# Allegro board 8880F5-0823_1_maisha.brd (continued)
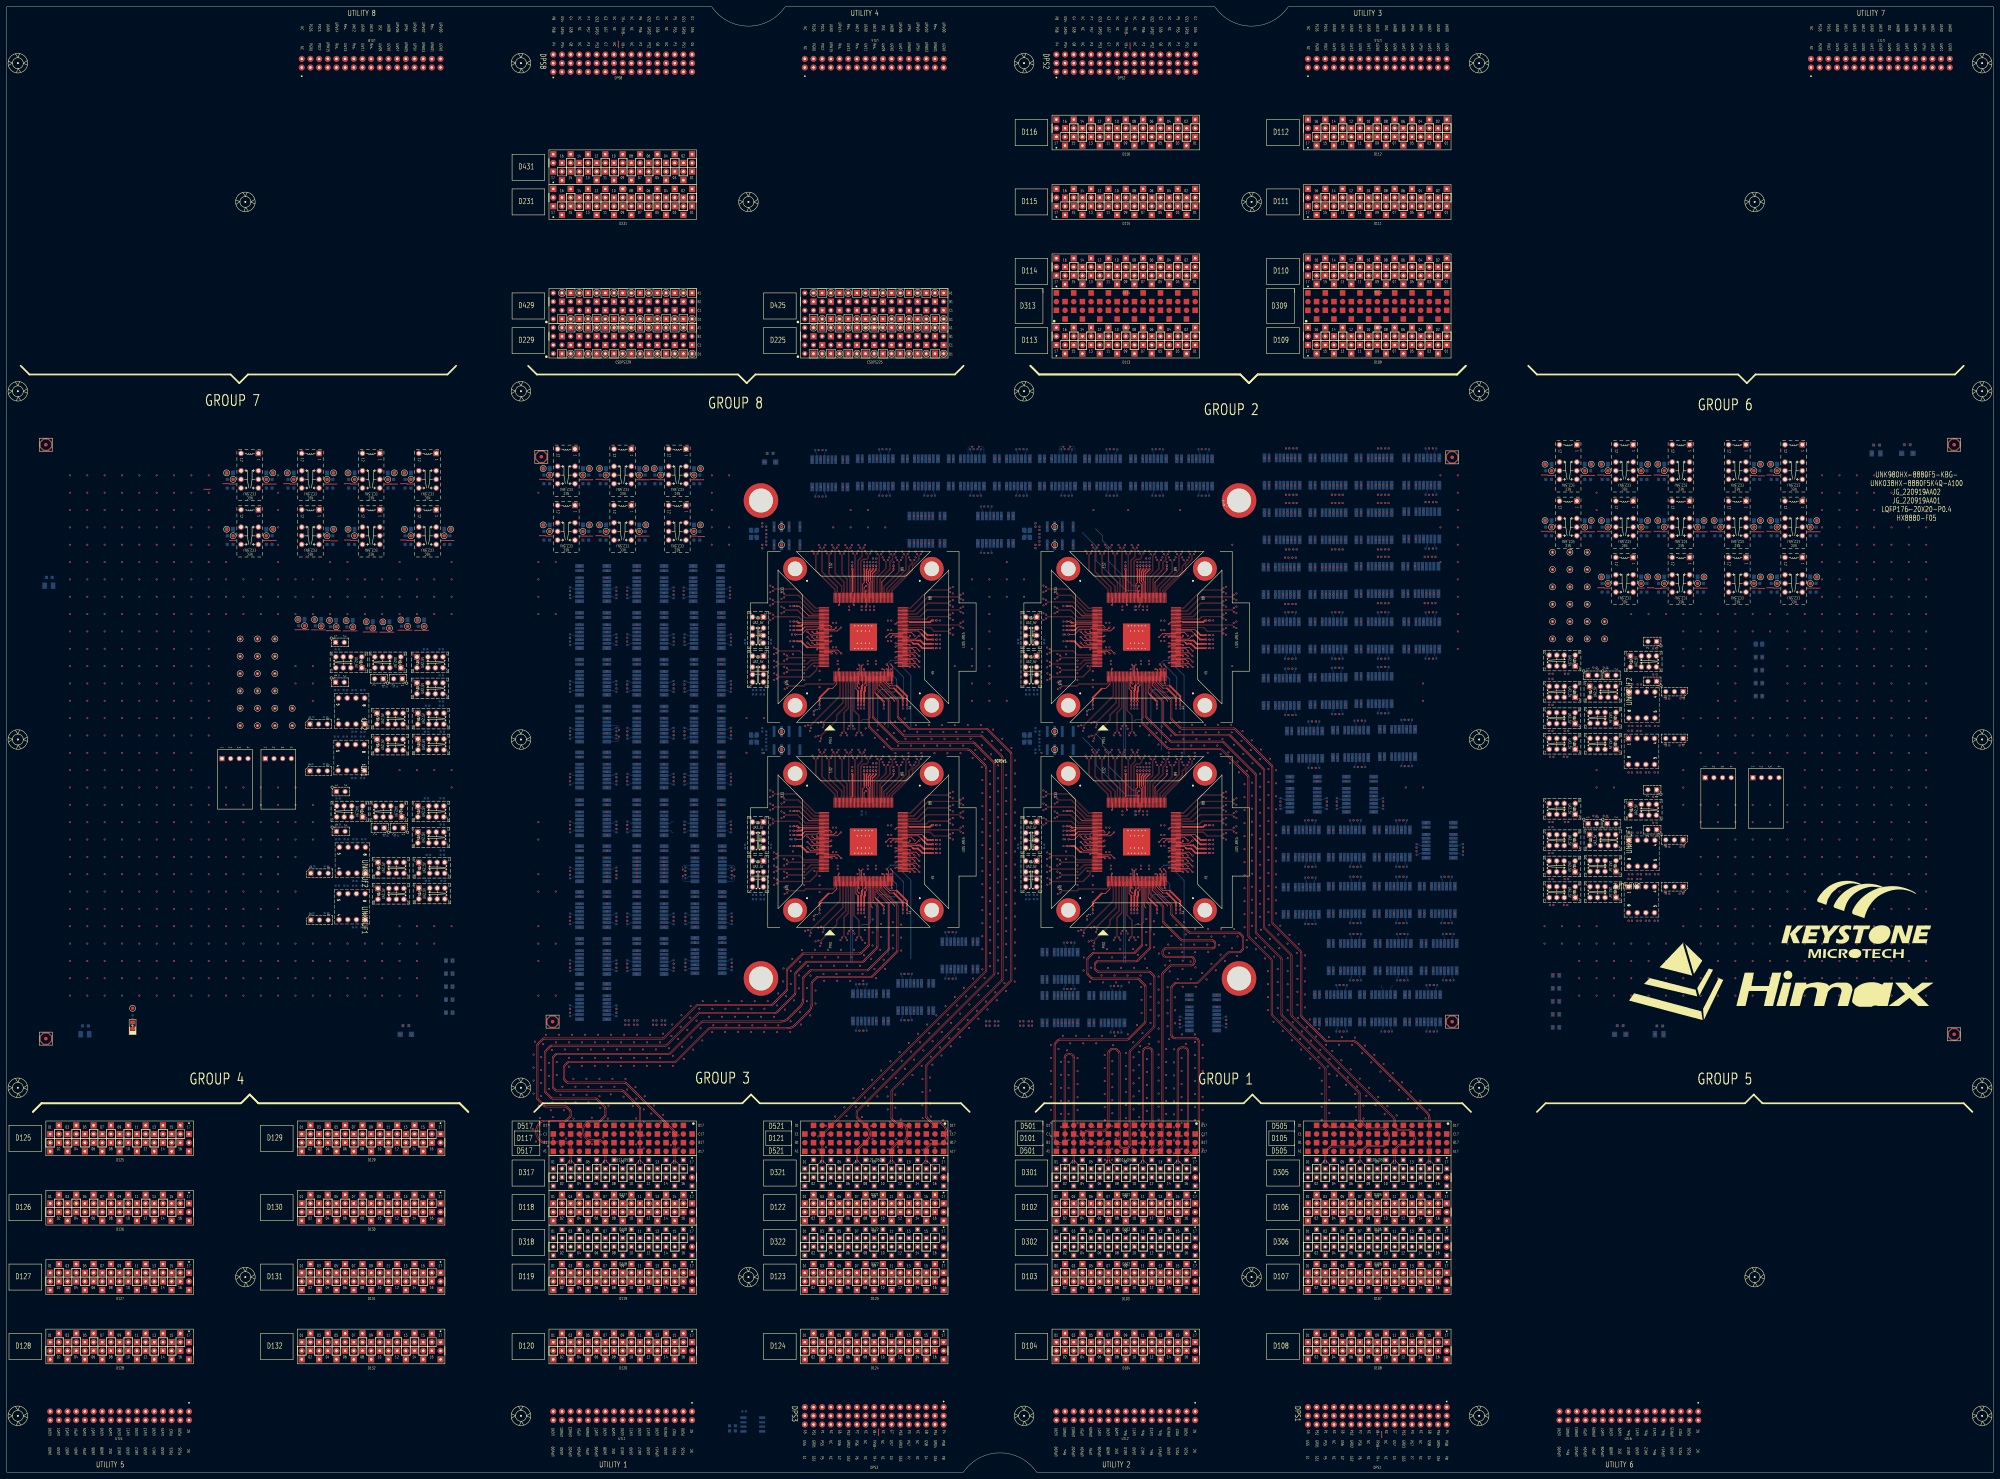
[diagram p0: board, top side]
## Routing (per net, layer and track width the routed paths; a pad name or vN(x,y) marks a point on that pad's centre or on a via; arc(x,y) is an arc through that point) (continued)
  vias: v1(316.32,222.9) v1(317.98,223.71)
S2_DPS_F_003: length 63.1
  TOP w0.231: 339.73,229.66 338.57,229.66 336.63,231.59 SITE2.37 ; SITE2.63 344.9,243.23 345.2,242.93 ; 314.63,241.63 SITE2.162 ; 329.28,228.85 328.63,229.5 SITE2.17 ; SITE2.145 313.08,248.43 312.83,248.18 ; SITE2.107 332.23,260.11 331.69,260.65 331.69,261.16 ; SITE2.71 346.94,246.43 347.84,245.53
  TOP w0.381: 331.69,261.16 331.69,264.28 v1(331.94,264.54)
  TOP w0.508: 342.36,225.75 342.36,227.02 339.73,229.66 ; 312.83,248.18 312.58,247.93 v1(311.44,247.93) ; v1(311.44,243.41) 312.59,243.41 314.37,241.63 314.63,241.63 ; v1(329.28,225.75) 329.28,228.85 ; 347.84,245.53 349.45,243.91 v1(351.22,243.91) ; v1(351.22,241.37) 348.11,241.37 346.8,242.67 345.45,242.67 345.2,242.93
  vias: v1(309.4,247.93) v1(309.4,243.41) v1(329.28,223.71) v1(331.94,266.58) v1(342.36,223.71) v1(353.27,243.91) v1(353.27,241.37) v1(464.57,235.71)
S2_DPS_F_006: length 9.6
  TOP w0.231: 348.55,246.19 347.92,246.83 SITE2.72
  TOP w0.508: 348.55,246.19 349.56,245.18 v1(351.22,245.18)
  vias: v1(339,246.67) v1(353.27,245.18)
S2_DPS_F_007: length 19
  TOP w0.231: SITE2.78 344.15,249.23 344.37,249.01 ; v1(339.65,264.54) 339.65,264.13 336.23,260.71 SITE2.97
  TOP w0.508: v1(351.22,249.5) 350.8,249.5 350.31,249.01 344.37,249.01
  vias: v1(339.65,266.58) v1(353.27,249.5)
S2_DPS_F_009: length 8.8
  TOP w0.231: 332.26,261.12 332.26,260.9 332.63,260.53 SITE2.106
  TOP w0.381: v1(332.83,264.54) 332.83,264.39 332.26,263.82 332.26,261.12
  vias: v1(332.83,266.58) v1(333.61,267.66)
S2_DPS_F_010: length 8.6
  TOP w0.231: 331.05,261.13 331.05,260.57 330.63,260.15 SITE2.111
  TOP w0.381: 331.05,261.13 v1(331.05,264.54)
  vias: v1(330.63,253.59) v1(331.05,266.58)
S2_DPS_F_011: length 17.6
  TOP w0.231: SITE2.119 327.43,257.79 327.64,258.01 ; SITE2.139 314.87,250.83 312.01,253.69 v1(311.44,253.69)
  TOP w0.508: v1(327.57,264.54) 327.64,264.47 327.64,258.01
  vias: v1(309.4,253.69) v1(327.57,266.58)
S2_DPS_F_012: length 8
  TOP w0.231: 312.2,248.83 SITE2.144
  TOP w0.508: 312.2,248.83 311.81,248.83 v1(311.44,249.2)
  vias: v1(309.4,249.2)
S2_DPS_F_013:
  vias: v1(452.62,232.41) v1(452.62,224.79) v1(457.25,233.88) v1(474.87,217.23) v1(474.89,204.98) v1(474.99,218.59) v1(475.99,230.78) v1(478.43,217.17) v1(478.43,204.98) v1(478.53,230.78) v1(478.53,218.59) v1(480.97,204.98) v1(481.07,218.59) v1(482.1,241.3) v1(482.1,233.68) v1(483.51,204.98) v1(483.61,218.59) v1(489.86,212.91) v1(490.1,226.67)
S2_ISP00+: length 14.6
  TOP w0.086: v1(356.24,245.73) 355.81,246.16 351.56,246.16 350.41,247.31 344.06,247.31 343.98,247.23 SITE2.73
  vias: v1(386.29,257.11)
S2_ISP00-: length 14.6
  TOP w0.086: SITE2.74 343.98,247.63 344.06,247.55 350.51,247.55 351.66,246.4 355.77,246.4 v1(356.24,246.87)
  vias: v1(386.29,265.11)
S2_ISP14+: length 84.9
  TOP w0.086: v1(332.86,269.15) 332.42,268.71 332.42,267.92 331.76,267.26 330.73,267.26 330.15,266.68 330.15,257.86 330.23,257.78 SITE2.112
  L28_SIGNAL w0.071: v1(332.86,269.15) 332.39,269.62 332.39,271.2 334.35,273.15 352.61,273.15 364.75,261.01 390.36,261.01 390.69,260.68 v1(390.69,257.11)
S2_ISP14-: length 85.2
  TOP w0.086: v1(331.72,269.15) 332.18,268.69 332.18,268.02 331.66,267.5 330.63,267.5 329.91,266.78 329.91,257.86 329.83,257.78 SITE2.113
  L28_SIGNAL w0.071: v1(331.72,269.15) 332.19,269.62 332.19,271.28 334.26,273.35 352.69,273.35 364.83,261.21 390.38,261.21 390.69,261.53 v1(390.69,265.11)
S2_M_DPS_F_001: length 45.2
  TOP w0.231: SITE2.39 337.43,231.49 338.54,230.37 340.57,230.37 ; SITE2.147 313.7,247.63 313.24,247.18 ; 330.63,230.54 SITE2.22 ; 346.49,243.63 SITE2.64 ; SITE2.104 333.43,263.21
  TOP w0.381: 333.43,263.21 334.61,264.39 v1(334.61,264.54)
  TOP w0.508: 330.63,230.54 330.38,230.28 330.38,229.17 330.17,228.96 v1(330.17,225.75) ; v1(311.44,246.66) 312.72,246.66 313.24,247.18 ; v1(351.22,242.64) 348.48,242.64 347.49,243.63 346.49,243.63 ; v1(343.63,225.75) 343.63,227.31 340.57,230.37
  vias: v1(309.4,246.66) v1(330.17,223.71) v1(334.61,266.58) v1(343.63,223.71) v1(353.27,242.64)
S2_PS9G_DCH001: length 3.7
  TOP w0.231: v1(329.63,229.63) 329.03,230.23 SITE2.18
S2_PS9G_DCH002: length 2.2
  TOP w0.231: SITE2.19 329.43,231.23 v1(329.63,231.03)
S2_PS9G_DCH003: length 2.2
  TOP w0.231: v1(331.23,231.03) 331.43,231.23 SITE2.24
S2_PS9G_DCH004: length 2.2
  TOP w0.231: v1(337.63,235.23) 337.83,235.03 SITE2.40
S2_PS9G_DCH005: length 2.2
  TOP w0.231: v1(344.43,235.83) 344.23,236.03 SITE2.45
S2_PS9G_DCH006: length 3.7
  TOP w0.231: v1(345.83,235.83) 345.23,236.43 SITE2.46
S2_PS9G_DCH007: length 5.3
  TOP w0.231: SITE2.47 346.22,236.83 v1(347.22,235.83)
S2_PS9G_DCH009: length 2.2
  TOP w0.231: v1(344.43,237.43) 344.23,237.63 SITE2.49
S2_PS9G_DCH010: length 3.7
  TOP w0.231: SITE2.50 345.23,238.03 v1(345.83,237.43)
S2_PS9G_DCH011: length 5.3
  TOP w0.231: v1(347.22,237.43) 346.22,238.43 SITE2.51
S2_PS9G_DCH014: length 3.7
  TOP w0.231: v1(345.83,239.03) 345.23,239.63 SITE2.54
S2_PS9G_DCH015: length 5.3
  TOP w0.231: SITE2.55 346.22,240.03 v1(347.22,239.03)
S2_PS9G_DCH022: length 5.3
  TOP w0.231: SITE2.65 346.05,244.03 347.05,245.03 v1(347.22,245.03)
S2_PS9G_DCH023: length 2.5
  TOP w0.231: v1(344.43,245.03) 344.43,244.83 344.03,244.43 SITE2.66
S2_PS9G_DCH027: length 3.9
  TOP w0.231: v1(345.83,245.03) 344.83,246.03 SITE2.70
S2_PS9G_DCH028: length 2.3
  TOP w0.231: SITE2.77 340.6,248.83 v1(340.23,248.46)
S2_PS9G_DCH029: length 2.2
  TOP w0.231: SITE2.118 327.83,254.23 v1(328.03,254.03)
S2_PS9G_DCH030: length 9.2
  TOP w0.231: v1(310.91,245.39) 312.63,245.39 314.16,246.91 317.3,246.91 317.62,247.23 SITE2.148
S2_PS9G_DCH035: length 5.3
  TOP w0.231: SITE2.153 315.44,245.23 v1(314.43,246.23)
S2_PS9G_DCH036: length 2.2
  TOP w0.231: SITE2.154 321.23,244.83 v1(321.43,245.03)
S2_PS9G_DCH037: length 2.2
  TOP w0.231: SITE2.155 317.43,244.43 v1(317.23,244.63)
S2_PS9G_DCH038: length 3.7
  TOP w0.231: SITE2.156 316.43,244.03 v1(315.83,244.63)
S2_PS9G_DCH039: length 5.3
  TOP w0.231: v1(314.43,244.63) 315.44,243.63 SITE2.157
S2_PS9G_DCH040: length 2.2
  TOP w0.231: v1(321.43,243.43) 321.23,243.23 SITE2.158
S2_RLY_001:
  vias: v1(410.52,289.12) v1(410.52,273.37)
S2_RLY_003:
  vias: v1(369.63,273.11) v1(396.55,241.11)
S2_RLY_005:
  vias: v1(396.55,273.11) v1(396.55,257.37)
S2_RLY_007:
  vias: v1(383.09,273.11)
S2_RLY_008:
  vias: v1(383.09,289.12) v1(410.27,257.37)
S2_RLY_016:
  vias: v1(369.38,257.11) v1(369.63,289.12)
S2_RLY_018:
  vias: v1(312.25,276.97)
S2_RLY_021:
  vias: v1(369.38,241.11) v1(396.55,289.12)
S2_RLY_022:
  vias: v1(369.38,224.6) v1(383.09,241.11)
S2_RLY_023:
  vias: v1(383.09,224.85)
S2_RLY_025:
  vias: v1(376.23,209.11) v1(396.55,225.11)
S2_RLY_026:
  vias: v1(389.7,209.36)
S2_RLY_030:
  vias: v1(410.52,241.11)
S2_RLY_043:
  vias: v1(383.09,257.11)
S2_SCAN_DCH008: length 2.2
  TOP w0.231: v1(340.23,237.03) 340.43,237.23 SITE2.48
S2_SCAN_DCH012: length 2.2
  TOP w0.231: v1(340.23,238.63) 340.43,238.83 SITE2.52
S2_SCAN_DCH013: length 2.2
  TOP w0.231: SITE2.53 344.23,239.23 v1(344.43,239.03)
S2_SCAN_DCH016: length 2.2
  TOP w0.231: v1(340.23,240.23) 340.43,240.43 SITE2.56
S2_SCAN_DCH017: length 2.2
  TOP w0.231: SITE2.57 344.23,240.83 v1(344.43,240.63)
S2_SCAN_DCH018: length 3.7
  TOP w0.231: v1(345.83,240.63) 345.23,241.23 SITE2.58
S2_SCAN_DCH019: length 5.3
  TOP w0.231: SITE2.59 346.22,241.63 v1(347.22,240.63)
S2_SCAN_DCH020: length 2.2
  TOP w0.231: SITE2.60 340.43,242.03 v1(340.23,241.83)
S2_SCAN_DCH021: length 2.2
  TOP w0.231: v1(344.43,242.23) 344.23,242.43 SITE2.61
S2_SCAN_DCH024: length 2.2
  TOP w0.231: v1(340.23,244.63) 340.43,244.83 SITE2.67
S2_SCAN_DCH025: length 3.7
  TOP w0.231: SITE2.68 339.43,245.23 v1(338.83,244.63)
S2_SCAN_DCH026: length 5.3
  TOP w0.231: v1(337.44,244.63) 338.44,245.63 SITE2.69
S2_SCAN_DCH031: length 3.7
  TOP w0.231: v1(322.83,247.43) 322.23,246.83 SITE2.149
S2_SCAN_DCH032: length 5.3
  TOP w0.231: v1(324.22,247.43) 323.22,246.43 SITE2.150
S2_SCAN_DCH033: length 2.2
  TOP w0.231: v1(317.23,246.23) 317.43,246.03 SITE2.151
S2_SCAN_DCH034: length 3.7
  TOP w0.231: v1(315.83,246.23) 316.43,245.63 SITE2.152
S2_SPI_1_CSN:
  vias: v1(474.99,230.78)
S2_SPI_1_SCK:
  vias: v1(480.07,218.59)
S2_SPI_1_SDI:
  vias: v1(456.19,217.17)
S2_SPI_1_SDO:
  vias: v1(455.94,209.55)
S2_SPI_2_CSN:
  vias: v1(475.87,217.23)
S2_SPI_2_SCK:
  vias: v1(479.97,204.98)
S2_SPI_2_SDI:
  vias: v1(451.62,217.17)
S2_SPI_2_SDO:
  vias: v1(451.87,209.55)
S2_SPI_11_SDI:
  vias: v1(457.19,217.17) v1(477.53,230.78)
S2_SPI_11_SDO:
  vias: v1(456.94,209.55) v1(482.61,218.59)
S2_SPI_22_SDI:
  vias: v1(452.62,217.17) v1(477.43,217.17)
S2_SPI_22_SDO:
  vias: v1(452.87,209.55) v1(482.51,204.98)
S2_SPI_CSN: length 25.9
  TOP w0.231: v1(339.23,231.03) 339.03,231.23 SITE2.43
  BOTTOM w0.231: v1(339.23,231.03) 338.4,231.03 335.17,234.25 333.57,234.25 332.91,233.59 332.91,221.11 332.25,220.44 330.61,220.44 330.11,219.95
S2_SPI_SCK: length 25.3
  TOP w0.231: SITE2.42 338.63,235.03 v1(338.83,235.23)
  BOTTOM w0.231: v1(338.83,235.23) 338.83,233.98 340.53,232.28 340.53,229.11 339.96,228.54 337.9,228.54 337.17,229.27 335.92,229.27 335.03,228.39 335.03,218.48
S2_SPI_SDI: length 34.1
  TOP w0.231: SITE2.44 339.43,236.03 v1(338.83,236.63)
  BOTTOM w0.231: v1(338.83,236.63) 342.6,232.86 342.6,227.63 342.04,227.06 338.85,227.06 338.07,226.28 338.07,211.53
S2_SPI_SDO: length 37
  TOP w0.231: v1(337.63,236.63) 338.23,236.03 SITE2.41
  BOTTOM w0.231: v1(337.63,236.63) 338.83,237.83 341.5,237.83 342.29,237.04 342.29,235.83 344.72,233.4 344.72,210.32
S2_XTAL_IN: length 28.3
  TOP w0.231: v1(331.63,258.23) 331.43,258.03 SITE2.109
  BOTTOM w0.231: v1(331.63,258.23) 327.82,258.23 318.94,267.1 318.94,271.27 314.98,275.24
  vias: v1(306.85,271.67)
S2_XTAL_OUT: length 26.8
  TOP w0.231: v1(331.63,259.63) 331.03,259.03 SITE2.110
  BOTTOM w0.231: v1(331.63,259.63) 329.83,259.63 322.59,266.87 322.59,271.15 320.8,272.93 320.8,274.36 318.8,276.35
  vias: v1(306.85,276.97)
S3_1TX_100DCH001+: length 146.6
  L30_SIGNAL w0.071: v1(184.47,176.66) 188.09,176.66 188.37,176.38 188.37,144.32 195.89,136.8 195.89,129.89 197.68,128.1 263.39,128.1 266.84,131.56 266.84,135.43 268.79,137.39 273.33,137.39 276.5,140.56 276.5,144.12 v1(276.97,144.59)
S3_1TX_100DCH001-: length 146
  L30_SIGNAL w0.071: v1(275.82,144.59) 276.3,144.12 276.3,140.64 273.24,137.58 268.71,137.58 266.64,135.52 266.64,131.64 263.31,128.3 197.76,128.3 196.09,129.97 196.09,136.88 188.57,144.41 188.57,176.38 188.84,176.66 v1(192.47,176.66)
S3_1TX_100DCH002+: length 49.3
  TOP w0.086: SITE3.75 263.98,188.03 264.06,188.11 278.84,188.11 v1(279.29,187.66)
  L30_SIGNAL w0.071: v1(276.97,158.18) 276.51,158.64 276.51,170.64 277.84,171.96 277.84,187.75 278.21,188.13 278.82,188.13 v1(279.29,187.66)
S3_1TX_100DCH002-: length 49.6
  TOP w0.086: v1(279.29,188.8) 278.84,188.35 264.06,188.35 263.98,188.43 SITE3.76
  L30_SIGNAL w0.071: v1(279.29,188.8) 278.82,188.33 278.13,188.33 277.64,187.83 277.64,172.05 276.31,170.72 276.31,158.66 v1(275.82,158.18)
S3_1TX_100DCH003+: length 93.5
  TOP w0.086: SITE3.79 263.98,189.63 264.06,189.71 269.2,189.71 270.02,190.53 275.8,190.53 v1(276.24,190.09)
  L30_SIGNAL w0.071: v1(250.81,129.35) 250.33,129.82 250.33,130.94 253.43,134.03 253.43,140.18 258.74,145.49 258.74,164.96 263.84,170.06 263.84,189.54 264.86,190.56 275.77,190.56 v1(276.24,190.09)
S3_1TX_100DCH003-: length 93.8
  TOP w0.086: v1(276.24,191.23) 275.78,190.77 269.92,190.77 269.1,189.95 264.06,189.95 263.98,190.03 SITE3.80
  L30_SIGNAL w0.071: v1(249.66,129.35) 250.13,129.82 250.13,131.02 253.23,134.12 253.23,140.26 258.54,145.57 258.54,165.04 263.64,170.14 263.64,189.62 264.77,190.76 275.77,190.76 v1(276.24,191.23)
S3_1TX_100DCH004+: length 99.7
  TOP w0.086: SITE3.81 263.98,190.43 264.06,190.51 267.46,190.51 269.46,192.51 278.8,192.51 v1(279.29,192.02)
  L30_SIGNAL w0.071: v1(279.29,192.02) 279.76,192.49 280.8,192.49 281.3,191.99 281.3,191.03 280.88,190.61 279.47,190.61 277.24,192.84 265.26,192.84 261.97,189.55 261.97,170.48 257.5,166.01 257.5,148.93 255.37,146.79 255.37,143.72 252.76,141.11 250.71,141.11 250.33,141.49 250.33,142.46 v1(250.81,142.94)
S3_1TX_100DCH004-: length 100.6
  TOP w0.086: SITE3.82 263.98,190.83 264.06,190.75 267.37,190.75 269.36,192.75 278.88,192.75 v1(279.29,193.16)
  L30_SIGNAL w0.071: v1(249.66,142.94) 250.13,142.47 250.13,141.41 250.63,140.91 252.84,140.91 255.56,143.63 255.56,146.71 257.7,148.85 257.7,165.93 262.17,170.39 262.17,189.47 265.34,192.64 277.15,192.64 279.39,190.41 280.96,190.41 281.5,190.95 281.5,192.08 280.89,192.69 279.76,192.69 v1(279.29,193.16)
S3_1TX_100DCH005+: length 105.6
  TOP w0.086: v1(276.24,193.95) 275.8,194.39 269.61,194.39 266.53,191.31 264.06,191.31 263.98,191.23 SITE3.83
  L30_SIGNAL w0.071: v1(276.24,193.95) 276.72,194.42 280.68,194.42 282.25,192.85 282.25,160.74 278.41,156.91 268.76,156.91 259.65,147.8 259.65,131.08 260.69,130.04 262.93,130.04 263.54,130.64 263.54,131.93 v1(264.01,132.4)
S3_1TX_100DCH005-: length 105.3
  TOP w0.086: v1(276.24,195.09) 275.78,194.63 269.51,194.63 266.43,191.55 264.06,191.55 263.98,191.63 SITE3.84
  L30_SIGNAL w0.071: v1(276.24,195.09) 276.72,194.62 280.76,194.62 282.44,192.94 282.44,160.66 278.5,156.71 268.84,156.71 259.84,147.71 259.84,131.16 260.77,130.23 262.85,130.23 263.34,130.73 263.34,131.93 v1(262.87,132.4)
S3_1TX_100DCH006+: length 86.9
  TOP w0.086: SITE3.85 263.98,192.03 264.06,192.11 265.58,192.11 269.82,196.36 278.81,196.36 v1(279.29,195.88)
  L30_SIGNAL w0.071: v1(264.01,145.99) 263.55,145.53 263.55,144.67 264.03,144.19 268.45,144.19 283.34,159.09 283.34,194.3 281.29,196.35 279.76,196.35 v1(279.29,195.88)
S3_1TX_100DCH006-: length 87.9
  TOP w0.086: SITE3.86 263.98,192.43 264.06,192.35 265.48,192.35 269.73,196.6 278.87,196.6 v1(279.29,197.02)
  L30_SIGNAL w0.071: v1(279.29,197.02) 279.76,196.55 281.38,196.55 283.54,194.38 283.54,159 268.54,144 263.95,144 263.36,144.59 263.36,145.5 v1(262.87,145.99)
S3_1TX_100DCH007+: length 131.5
  TOP w0.086: SITE3.87 263.98,192.83 264.06,192.91 264.57,192.91 269.88,198.23 275.83,198.23 v1(276.24,197.81)
  L30_SIGNAL w0.071: v1(178.5,176.13) 178.02,175.66 177.04,175.66 176.57,176.12 176.57,182.68 178.97,185.08 210.54,185.08 214.32,188.86 225.81,188.86 227.67,190.71 243.03,190.71 250.6,198.28 275.77,198.28 v1(276.24,197.81)
S3_1TX_100DCH007-: length 132.2
  TOP w0.086: SITE3.88 263.98,193.23 264.06,193.15 264.47,193.15 269.78,198.47 275.76,198.47 v1(276.24,198.95)
  L30_SIGNAL w0.071: v1(178.5,174.99) 178.03,175.46 176.95,175.46 176.37,176.04 176.37,182.76 178.89,185.28 210.46,185.28 214.24,189.06 225.73,189.06 227.59,190.91 242.95,190.91 250.52,198.48 275.77,198.48 v1(276.24,198.95)
S3_2AUX+:
  vias: v1(192.78,132.33) v1(192.78,131.06)
S3_2AUX-:
  vias: v1(189.24,131.06) v1(190.24,132.33)
S3_2TX_100DCH001+: length 238.3
  TOP w0.086: v1(267.64,208.93) 267.21,208.5 267.21,207.41 265.32,205.52 265.32,204.13 259.35,198.16 259.35,197.86 259.43,197.78 SITE3.89
  L32_SIGNAL w0.071: v1(267.64,208.93) 267.17,208.46 267.17,207.59 261.46,201.88 261.46,166.55 258.62,163.71 258.62,142.82 251.83,136.03 230.59,136.03 228.76,134.2 209.84,134.2 204.93,139.12 177.78,139.12 176.55,140.35 159.38,140.35 153.4,146.33 153.4,170.72 158.34,175.66 164.84,175.66 164.91,175.73 v1(164.91,176.13)
S3_2TX_100DCH001-: length 237.3
  TOP w0.086: v1(266.5,208.93) 266.97,208.46 266.97,207.51 265.08,205.62 265.08,204.23 259.11,198.26 259.11,197.86 259.03,197.78 SITE3.90
  L32_SIGNAL w0.071: v1(164.91,174.99) 164.91,175.39 164.84,175.46 158.42,175.46 153.6,170.64 153.6,146.41 159.47,140.55 176.64,140.55 177.87,139.32 205.01,139.32 209.92,134.4 228.68,134.4 230.5,136.23 251.75,136.23 258.42,142.9 258.42,163.79 261.26,166.64 261.26,201.96 266.97,207.67 266.97,208.46 v1(266.5,208.93)
S3_2TX_100DCH002+: length 102.5
  TOP w0.086: v1(265.72,207.21) 265.28,206.78 265.28,206.31 264.35,205.37 264.35,204.04 258.55,198.23 258.55,197.86 258.63,197.78 SITE3.91
  L32_SIGNAL w0.071: v1(265.72,207.21) 265.24,207.69 265.24,211.41 265.89,212.05 265.89,215.81 260.44,221.25 233.94,221.25 231.09,218.41 221.57,218.41 217.87,222.12 199.94,222.12 196.87,219.04 196.87,216.83 196.59,216.55 195.73,216.55 v1(195.26,217.02)
S3_2TX_100DCH002-: length 102.2
  TOP w0.086: v1(264.57,207.21) 265.04,206.74 265.04,206.4 264.11,205.47 264.11,204.13 258.31,198.33 258.31,197.86 258.23,197.78 SITE3.92
  L32_SIGNAL w0.071: v1(264.57,207.21) 265.04,207.69 265.04,211.49 265.69,212.14 265.69,215.73 260.36,221.06 234.02,221.06 231.17,218.21 221.49,218.21 217.78,221.92 200.02,221.92 197.07,218.96 197.07,216.75 196.67,216.35 195.73,216.35 v1(195.26,215.88)
S3_2TX_100DCH003+: length 112.3
  TOP w0.086: SITE3.93 257.83,197.78 257.75,197.86 257.75,198.68 263.34,204.27 263.34,208.49 v1(263.79,208.93)
  L32_SIGNAL w0.071: v1(263.79,208.93) 263.31,209.4 263.31,213.14 260.75,215.71 260.75,217.22 257.42,220.55 234.34,220.55 230.43,216.64 221.51,216.64 218.31,219.84 199.35,219.84 197.58,218.06 197.58,216.06 196.49,214.97 184.93,214.97 183.36,216.55 182.15,216.55 v1(181.67,217.02)
S3_2TX_100DCH003-: length 112
  TOP w0.086: v1(262.64,208.93) 263.1,208.47 263.1,204.37 257.51,198.78 257.51,197.86 257.43,197.78 SITE3.94
  L32_SIGNAL w0.071: v1(262.64,208.93) 263.12,209.4 263.12,213.06 260.55,215.63 260.55,217.14 257.33,220.36 234.42,220.36 230.51,216.44 221.42,216.44 218.23,219.64 199.43,219.64 197.77,217.98 197.77,215.98 196.57,214.77 184.85,214.77 183.27,216.35 182.15,216.35 v1(181.67,215.88)
S3_2TX_100DCH004+: length 73.1
  TOP w0.086: v1(261.86,207.21) 261.41,206.77 261.41,203.74 256.95,199.28 256.95,197.86 257.03,197.78 SITE3.95
  L32_SIGNAL w0.071: v1(261.86,207.21) 261.38,207.69 261.38,211.17 258.84,213.71 258.84,214.86 254.14,219.57 241.81,219.57 238.79,216.55 232.02,216.55 230.96,215.5 220.48,215.5 219.43,216.55 212.5,216.55 v1(212.03,217.02)
S3_2TX_100DCH004-: length 72.8
  TOP w0.086: SITE3.96 256.63,197.78 256.71,197.86 256.71,199.38 261.17,203.84 261.17,206.75 v1(260.71,207.21)
  L32_SIGNAL w0.071: v1(212.03,215.88) 212.5,216.35 219.35,216.35 220.4,215.3 231.04,215.3 232.1,216.35 238.88,216.35 241.9,219.37 254.05,219.37 258.64,214.78 258.64,213.63 261.19,211.08 261.19,207.69 v1(260.71,207.21)
S3_2TX_100DCH005+: length 83
  TOP w0.086: v1(259.93,208.93) 259.46,208.47 259.46,207.3 258.7,206.53 258.7,204.43 255.75,201.48 255.75,197.86 255.83,197.78 SITE3.98
  L32_SIGNAL w0.071: v1(198.44,217.02) 198.91,216.55 199.83,216.55 203.46,212.92 209.57,212.92 210.21,213.56 238.43,213.56 239.71,214.83 251.01,214.83 252.06,215.88 254.93,215.88 259.45,211.36 259.45,209.4 v1(259.93,208.93)
S3_2TX_100DCH005-: length 82.7
  TOP w0.086: v1(258.78,208.93) 259.23,208.49 259.23,207.4 258.46,206.63 258.46,204.53 255.51,201.58 255.51,197.86 255.43,197.78 SITE3.99
  L32_SIGNAL w0.071: v1(198.44,215.88) 198.91,216.35 199.74,216.35 203.38,212.72 209.65,212.72 210.29,213.36 238.51,213.36 239.79,214.63 251.09,214.63 252.15,215.68 254.85,215.68 259.26,211.28 259.26,209.4 v1(258.78,208.93)
S3_2TX_100DCH006+: length 266
  TOP w0.086: SITE3.100 255.03,197.78 254.95,197.86 254.95,202.07 257.55,204.67 257.55,206.76 v1(258,207.21)
  L32_SIGNAL w0.071: v1(258,207.21) 257.53,206.74 257.53,199.63 246.05,188.16 246.05,163.05 239.55,156.54 236.39,156.54 235.09,155.24 223.55,155.24 222.99,155.81 217.95,155.81 204.38,142.23 162.92,142.23 157.35,147.81 157.35,164.69 166.02,173.36 166.02,180.4 157.98,188.44 157.98,203.53 162.97,208.52 188.15,208.52 193.58,203.09 194.79,203.09 v1(195.26,203.56)
S3_2TX_100DCH006-: length 265.1
  TOP w0.086: v1(256.85,207.21) 257.31,206.76 257.31,204.77 254.71,202.17 254.71,197.86 254.63,197.78 SITE3.101
  L32_SIGNAL w0.071: v1(195.26,202.42) 194.79,202.89 193.5,202.89 188.07,208.32 163.06,208.32 158.18,203.44 158.18,188.52 166.22,180.48 166.22,173.28 157.54,164.61 157.54,147.89 163,142.43 204.3,142.43 217.87,156 223.07,156 223.63,155.44 235.01,155.44 236.31,156.74 239.47,156.74 245.86,163.13 245.86,188.24 257.33,199.71 257.33,206.74 v1(256.85,207.21)
S3_2TX_100DCH007+: length 252.1
  TOP w0.086: SITE3.102 254.23,197.78 254.15,197.86 254.15,202.58 255.64,204.07 255.64,208.51 v1(256.07,208.93)
  L32_SIGNAL w0.071: v1(256.07,208.93) 255.6,208.46 255.6,200.72 246.96,192.08 240.92,192.08 239.07,190.23 239.07,162.73 235.79,159.46 219.71,159.46 209.77,149.52 203.77,149.52 198.32,144.08 164.77,144.08 159.73,149.11 159.73,165.71 165.61,171.58 168.42,171.58 170.41,173.57 170.41,182.4 167.01,185.79 162.87,185.79 159.1,189.56 159.1,203 162.45,206.34 176.92,206.34 180.18,203.09 181.2,203.09 v1(181.67,203.56)
S3_2TX_100DCH007-: length 251.2
  TOP w0.086: v1(254.93,208.93) 255.4,208.46 255.4,204.17 253.91,202.68 253.91,197.86 253.83,197.78 SITE3.103
  L32_SIGNAL w0.071: v1(254.93,208.93) 255.4,208.46 255.4,200.8 246.88,192.28 240.84,192.28 238.87,190.31 238.87,162.82 235.71,159.65 219.63,159.65 209.69,149.72 203.68,149.72 198.24,144.27 164.85,144.27 159.93,149.19 159.93,165.62 165.69,171.38 168.5,171.38 170.61,173.49 170.61,182.48 167.09,185.99 162.95,185.99 159.3,189.64 159.3,202.92 162.53,206.15 176.84,206.15 180.09,202.89 181.2,202.89 v1(181.67,202.42)
S3_3TX_100DCH002+: length 104.6
  TOP w0.086: v1(250.93,210.87) 250.46,210.4 250.46,208.18 249.35,207.06 249.35,197.86 249.43,197.78 SITE3.114
  L30_SIGNAL w0.071: v1(181.67,189.59) 181.21,189.12 180.25,189.12 179.95,189.42 179.95,191.16 181.11,192.32 224.29,192.32 226.05,194.08 227.84,194.08 229.18,192.74 241.58,192.74 250.46,201.62 250.46,210.4 v1(250.93,210.87)
S3_3TX_100DCH002-: length 104.9
  TOP w0.086: SITE3.115 249.03,197.78 249.11,197.86 249.11,207.16 250.22,208.28 250.22,210.43 v1(249.79,210.87)
  L30_SIGNAL w0.071: v1(181.67,188.45) 181.2,188.93 180.16,188.93 179.75,189.34 179.75,191.24 181.02,192.51 224.21,192.51 225.97,194.27 227.92,194.27 229.26,192.94 241.5,192.94 250.26,201.7 250.26,210.4 v1(249.79,210.87)
S3_3TX_100DCH003+: length 103.5
  TOP w0.086: v1(248.93,209.15) 248.55,208.77 248.55,197.86 248.63,197.78 SITE3.116
  L30_SIGNAL w0.071: v1(178.5,203.56) 178.02,203.09 176.76,203.09 176.32,202.66 176.32,199.55 177.12,198.76 209.42,198.76 211.4,196.78 224.13,196.78 226.06,194.86 241.68,194.86 248.46,201.64 248.46,208.68 v1(248.93,209.15)
S3_3TX_100DCH003-: length 102.5
  TOP w0.086: v1(247.79,209.15) 248.31,208.63 248.31,197.86 248.23,197.78 SITE3.117
  L30_SIGNAL w0.071: v1(247.79,209.15) 248.26,208.68 248.26,201.72 241.6,195.06 226.14,195.06 224.21,196.98 211.48,196.98 209.51,198.96 177.2,198.96 176.52,199.64 176.52,202.57 176.84,202.89 178.03,202.89 v1(178.5,202.42)
S3_3TX_100DCH004+: length 105.8
  TOP w0.086: v1(247.07,210.87) 246.61,210.41 246.61,202.62 246.95,202.28 246.95,197.86 247.03,197.78 SITE3.120
  L30_SIGNAL w0.071: v1(164.91,203.56) 165.38,203.09 166.68,203.09 173.91,210.32 211.32,210.32 217.62,216.63 241.91,216.63 246.6,211.94 246.6,211.34 v1(247.07,210.87)
S3_3TX_100DCH004-: length 105.5
  TOP w0.086: v1(245.93,210.87) 246.38,210.42 246.38,202.52 246.71,202.19 246.71,197.86 246.63,197.78 SITE3.121
  L30_SIGNAL w0.071: v1(245.93,210.87) 246.4,211.34 246.4,211.86 241.83,216.43 217.71,216.43 211.4,210.12 174,210.12 166.76,202.89 165.38,202.89 v1(164.91,202.42)
S3_3TX_100DCH005+: length 63.1
  TOP w0.086: SITE3.122 246.23,197.78 246.15,197.86 246.15,201.71 244.69,203.17 244.69,208.7 v1(245.14,209.15)
  L30_SIGNAL w0.071: v1(245.14,209.15) 244.67,208.68 244.67,202.26 240,197.59 228.42,197.59 221.33,204.68 210.89,204.68 210.24,204.03 210.24,203.55 210.7,203.09 211.55,203.09 v1(212.03,203.56)
S3_3TX_100DCH005-: length 63.5
  TOP w0.086: SITE3.123 245.83,197.78 245.91,197.86 245.91,201.61 244.46,203.07 244.46,208.69 v1(244,209.15)
  L30_SIGNAL w0.071: v1(212.03,202.42) 211.55,202.89 210.62,202.89 210.04,203.47 210.04,204.11 210.81,204.87 221.42,204.87 228.5,197.79 239.92,197.79 244.47,202.34 244.47,208.68 v1(244,209.15)
S3_3TX_100DCH006+: length 77.6
  TOP w0.086: v1(243.16,210.88) 242.73,210.45 242.73,203.37 245.35,200.75 245.35,197.86 245.43,197.78 SITE3.124
  L30_SIGNAL w0.071: v1(243.16,210.88) 242.69,210.41 242.69,204.57 237.41,199.29 229.02,199.29 222.35,205.96 198.06,205.96 196.45,204.35 196.45,203.46 196.83,203.08 197.96,203.08 v1(198.44,203.56)
S3_3TX_100DCH006-: length 78
  TOP w0.086: v1(242.02,210.88) 242.49,210.41 242.49,203.28 245.11,200.65 245.11,197.86 245.03,197.78 SITE3.125
  L30_SIGNAL w0.071: v1(242.02,210.88) 242.49,210.41 242.49,204.65 237.33,199.48 229.1,199.48 222.43,206.15 197.97,206.15 196.25,204.43 196.25,203.38 196.75,202.89 197.97,202.89 v1(198.44,202.42)
S3_3TX_100DCH007+: length 105.3
  TOP w0.086: v1(241.28,209.15) 240.83,208.7 240.83,203.34 244.55,199.62 244.55,197.86 244.63,197.78 SITE3.126
  L30_SIGNAL w0.071: v1(241.28,209.15) 240.81,208.68 240.81,207.15 239.96,206.3 236.51,206.3 232.99,209.83 213.75,209.83 212.1,208.19 179.87,208.19 173.58,201.89 173.58,192.36 176.82,189.12 178.03,189.12 v1(178.5,189.59)
S3_3TX_100DCH007-: length 105.6
  TOP w0.086: v1(240.14,209.15) 240.59,208.7 240.59,203.24 244.31,199.52 244.31,197.86 244.23,197.78 SITE3.127
  L30_SIGNAL w0.071: v1(178.5,188.45) 178.02,188.92 176.74,188.92 173.38,192.28 173.38,201.98 179.79,208.38 212.02,208.38 213.66,210.03 233.07,210.03 236.6,206.5 239.88,206.5 240.61,207.23 240.61,208.68 v1(240.14,209.15)
